# KiCad board AICORS_PCB.kicad_pcb (continued)
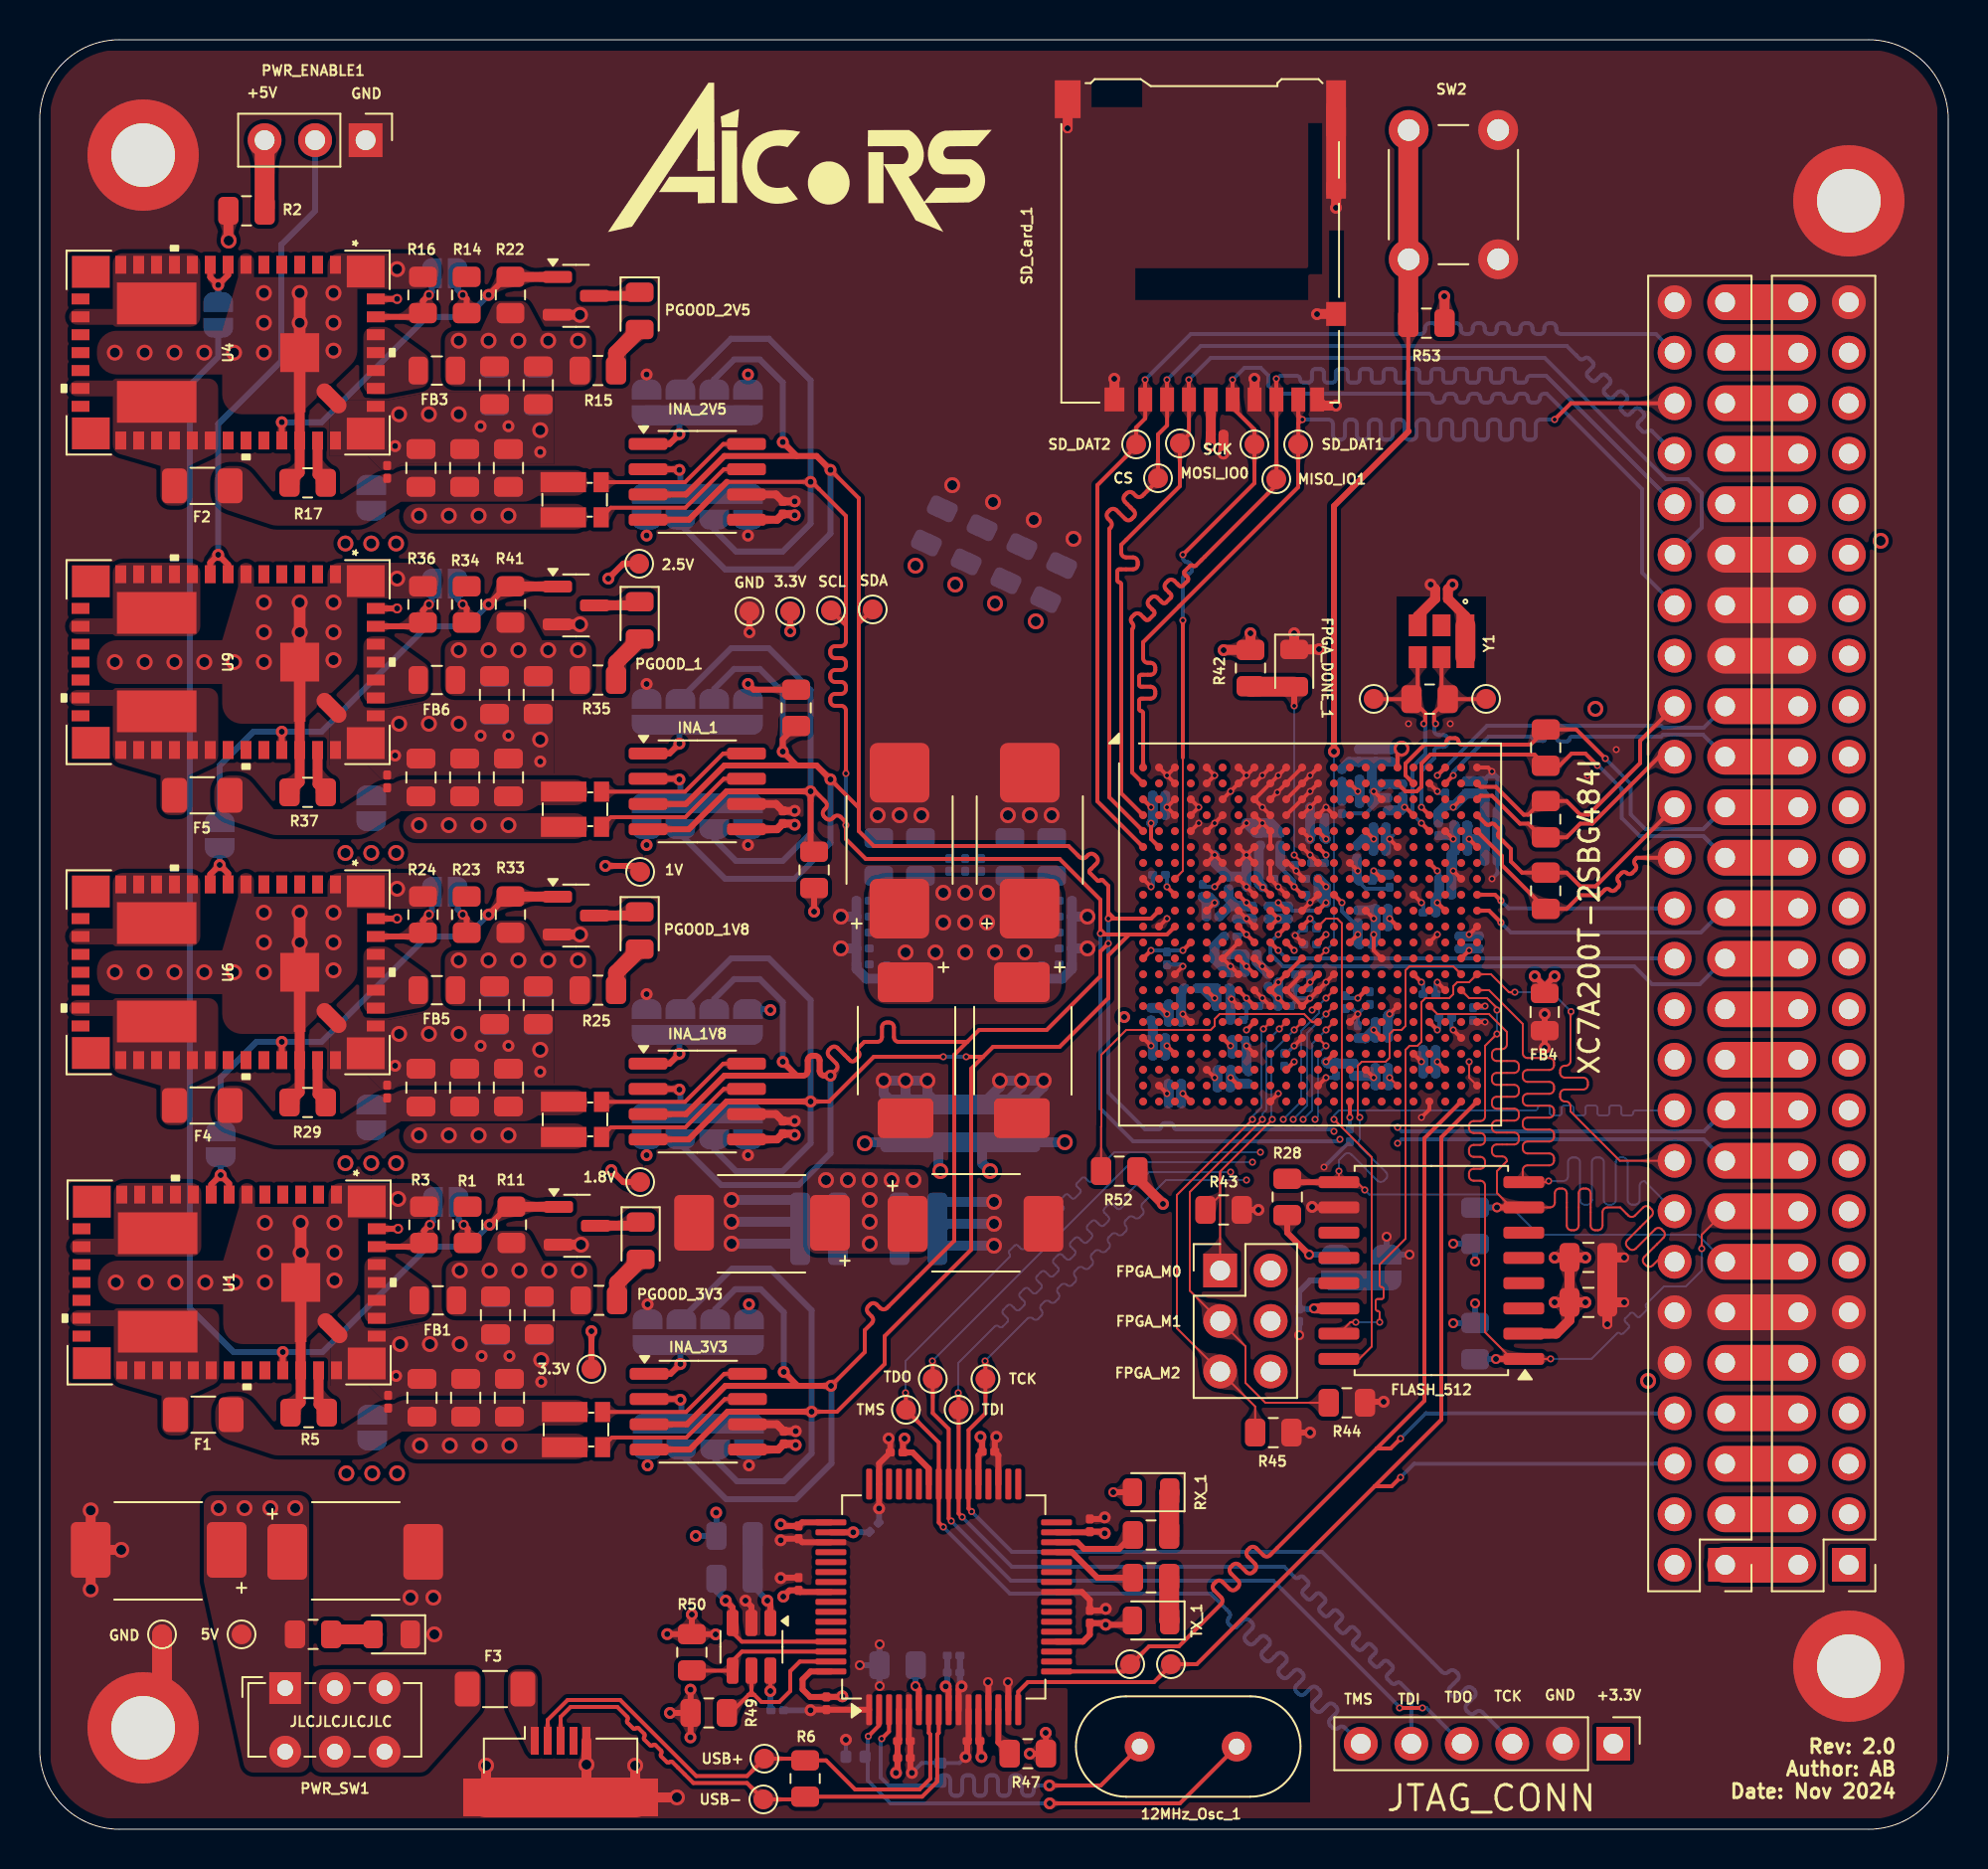
[diagram p0: board, top side]
## Routing (per net, layer and track width the routed paths; a pad name or vN(x,y) marks a point on that pad's centre or on a via; arc(x,y) is an arc through that point) (continued)
  Top w0.3: INA_1.3 32.5,51.57 34.44,53.5 39.08,53.5 v2(39.78,52.8) ; v2(37.38,38.6) 38.08,37.9 ; v2(39.78,37.9) 39.47,37.9 arc(39.3,37.97) 39.23,38.14 39.23,38.66 arc(39.16,38.83) 38.99,38.9 38.87,38.9 arc(38.7,38.83) 38.63,38.66 38.63,38.14 arc(38.56,37.97) 38.39,37.9 34.44,37.9 32.5,35.97 INA_1V8.3 ; v2(39.8,22.3) 34.49,22.3 32.55,20.37 INA_3V3.3 ; INA_2V5.3 32.5,67.13 34.44,69.07 39.08,69.07 v2(39.78,68.37) ; 38.08,53.5 v2(37.38,54.2) 37.38,54.81 SDA_UP_1.1 ; v2(37.38,69.77) 38.08,69.07 ; v2(37.43,23) 38.13,22.3
  Top w1.8: J10.20 J14.19
  In4.Cu w0.2: v1(68.3,35.3) 68.1,35.1 v1(65.1,35.1)
  Bottom w0.2: v1(68.3,35.3) 68.5,35.1 83.72,35.1 J14.19 ; v1(65.1,35.1) 65,35.2 57.18,35.2 arc(57.07,35.25) 57.03,35.36 arc(56.98,35.47) 56.87,35.51 56.58,35.51 arc(56.47,35.47) 56.43,35.36 arc(56.38,35.25) 56.27,35.2 55.6,35.2 53.75,37.05 v1(53.75,45.8)
  Bottom w0.3: A1_3.2 33.93,72.92 34.93,73.92 36.22,73.92 37.38,72.77 v2(37.38,69.77) ; v2(39.78,52.8) 39.78,49.6 37.98,47.8 34.48,47.8 32.23,50.05 A0_1.2 ; A0_2.2 32.23,34.45 34.28,32.4 38.18,32.4 39.78,34 v2(39.78,37.9) ; v2(39.78,68.37) 39.78,65.17 37.98,63.37 34.48,63.37 32.23,65.62 A0_3.2 ; v2(37.38,38.6) 37.38,41.6 36.22,42.76 34.93,42.76 33.93,41.76 A1_2.2 ; v2(37.38,54.2) 37.38,57.2 36.22,58.36 34.93,58.36 33.93,57.36 A1_1.2 ; v2(39.8,22.3) 39.83,22.27 39.83,18.4 38.03,16.6 34.53,16.6 32.28,18.85 A0_4.2 ; v2(37.43,23) 37.43,26 36.27,27.16 34.98,27.16 33.98,26.16 A1_4.2
JTAG_TCK: length 108.9
  Top w0.1: U3.V12 v1(64.7,39.4)
  Top w0.2: v1(46.88,15.97) 46.72,16.13 U12.38 46.72,20.07 47.57,20.92 TP46.1 47.57,23.53 v1(47.55,23.55)
  In2.Cu w0.1: v1(64.7,39.4) 67.2,36.9 73.26,36.9 arc(73.43,36.83) 73.5,36.66 73.5,36.31 arc(73.57,36.14) 73.74,36.07 73.86,36.07 arc(74.03,36.14) 74.1,36.31 74.1,36.66 arc(74.17,36.83) 74.34,36.9 74.46,36.9 arc(74.63,36.83) 74.7,36.66 74.7,36.31 arc(74.77,36.14) 74.94,36.07 75.06,36.07 arc(75.23,36.14) 75.3,36.31 75.3,36.66 arc(75.37,36.83) 75.54,36.9 75.66,36.9 arc(75.83,36.83) 75.9,36.66 75.9,36.31 arc(75.97,36.14) 76.14,36.07 76.26,36.07 arc(76.43,36.14) 76.5,36.31 76.5,36.66 arc(76.57,36.83) 76.74,36.9 76.86,36.9 arc(77.03,36.83) 77.1,36.66 77.1,36.31 arc(77.17,36.14) 77.34,36.07 77.46,36.07 arc(77.63,36.14) 77.7,36.31 77.7,36.66 arc(77.77,36.83) 77.94,36.9 78.06,36.9 arc(78.23,36.83) 78.3,36.66 78.3,36.31 arc(78.37,36.14) 78.54,36.07 78.66,36.07 arc(78.83,36.14) 78.9,36.31 78.9,36.66 arc(78.97,36.83) 79.14,36.9 79.26,36.9 arc(79.43,36.83) 79.5,36.66 79.5,36.31 arc(79.57,36.14) 79.74,36.07 79.86,36.07 arc(80.03,36.14) 80.1,36.31 80.1,36.66 arc(80.17,36.83) 80.34,36.9 80.44,36.9 J14.22
  In3.Cu w0.5: 82.22,38.68 83.49,39.95 89.71,39.95 90.98,38.68
  In4.Cu w0.1: v1(64.15,35.7) 61.1,32.65 v1(60.7,32.65)
  Bottom w0.1: v1(64.7,39.4) 64.3,39 64.3,35.85 v1(64.15,35.7) ; v1(60.7,32.65) 56.65,32.65 55.47,31.47 arc(55.42,31.34) 55.47,31.2 arc(55.53,31.06) 55.47,30.92 55.33,30.77 arc(55.19,30.71) 55.05,30.77 arc(54.91,30.83) 54.77,30.77 54.63,30.63 arc(54.57,30.49) 54.63,30.35 arc(54.68,30.21) 54.63,30.07 54.48,29.92 arc(54.34,29.87) 54.2,29.92 arc(54.06,29.98) 53.92,29.92 53.78,29.78 arc(53.72,29.64) 53.78,29.5 arc(53.83,29.36) 53.78,29.22 53.63,29.07 arc(53.49,29.02) 53.35,29.07 arc(53.21,29.13) 53.08,29.07 52.93,28.93 arc(52.87,28.79) 52.93,28.65 arc(52.99,28.51) 52.93,28.37 52.78,28.23 arc(52.64,28.17) 52.5,28.23 arc(52.37,28.28) 52.23,28.23 52.08,28.08 arc(52.02,27.94) 52.08,27.8 arc(52.14,27.66) 52.08,27.52 51.93,27.38 arc(51.8,27.32) 51.66,27.38 arc(51.52,27.44) 51.38,27.38 51.23,27.23 arc(51.17,27.09) 51.23,26.95 arc(51.29,26.81) 51.23,26.68 51.09,26.53 arc(50.95,26.47) 50.81,26.53 arc(50.67,26.59) 50.53,26.53 50.38,26.38 arc(50.33,26.24) 50.38,26.1 arc(50.44,25.97) 50.38,25.83 50.24,25.68 arc(50.1,25.62) 49.96,25.68 arc(49.82,25.74) 49.68,25.68 v1(47.55,23.55)
  Bottom w0.2: J13.3 74.07,4.38 72.57,5.88 arc(72.4,5.95) 72.23,5.88 72.21,5.87 arc(72.04,5.8) 71.87,5.87 71.79,5.95 arc(71.72,6.12) 71.79,6.29 72.16,6.66 arc(72.23,6.83) 72.16,7 72.07,7.09 arc(71.9,7.16) 71.74,7.09 71.36,6.72 arc(71.19,6.64) 71.02,6.72 70.94,6.8 arc(70.87,6.97) 70.94,7.14 71.31,7.51 arc(71.38,7.68) 71.31,7.85 71.23,7.93 arc(71.06,8) 70.89,7.93 70.87,7.92 arc(70.7,7.85) 70.53,7.92 64.5,13.95 48.9,13.95 v1(46.88,15.97)
JTAG_TDI: length 114.9
  Top w0.1: U3.R13 v1(64.7,41.8)
  Top w0.2: v1(46.2,21.95) 46.22,21.93 TP44.1 U12.39 46.22,15.88 v1(46.4,15.7)
  In2.Cu w0.1: v1(64.7,41.8) 64.9,41.8 68.9,37.8 73.22,37.8 arc(73.39,37.87) 73.46,38.04 73.46,38.1 arc(73.53,38.27) 73.7,38.34 73.82,38.34 arc(73.99,38.27) 74.06,38.1 74.06,38.04 arc(74.13,37.87) 74.3,37.8 74.42,37.8 arc(74.59,37.87) 74.66,38.04 74.66,38.1 arc(74.73,38.27) 74.9,38.34 75.02,38.34 arc(75.19,38.27) 75.26,38.1 75.26,38.04 arc(75.33,37.87) 75.5,37.8 75.62,37.8 arc(75.79,37.87) 75.86,38.04 75.86,38.1 arc(75.93,38.27) 76.1,38.34 76.22,38.34 arc(76.39,38.27) 76.46,38.1 76.46,38.04 arc(76.53,37.87) 76.7,37.8 77.35,38.45 arc(77.42,38.62) 77.35,38.79 77.31,38.83 arc(77.24,39) 77.31,39.17 77.39,39.25 arc(77.56,39.33) 77.73,39.25 78.16,38.83 arc(78.32,38.76) 78.49,38.83 78.58,38.92 arc(78.65,39.09) 78.58,39.26 78.16,39.68 arc(78.09,39.85) 78.16,40.02 78.24,40.1 arc(78.41,40.17) 78.58,40.1 79,39.68 arc(79.17,39.61) 79.34,39.68 79.43,39.77 arc(79.5,39.94) 79.43,40.11 79.01,40.53 arc(78.94,40.7) 79.01,40.87 79.09,40.95 arc(79.26,41.02) 79.43,40.95 79.47,40.91 arc(79.64,40.84) 79.81,40.91 80.14,41.24 J14.24
  In3.Cu w0.5: 91.02,41.23 89.75,42.5 83.52,42.5 82.25,41.23
  In4.Cu w0.1: v1(59.9,33.05) v1(62.55,35.7)
  Bottom w0.1: v1(59.9,33.05) 55.8,33.05 54.61,31.86 arc(54.57,31.76) 54.61,31.66 arc(54.65,31.55) 54.61,31.45 54.39,31.23 arc(54.28,31.18) 54.18,31.23 53.98,31.43 arc(53.87,31.47) 53.77,31.43 53.55,31.21 arc(53.51,31.11) 53.55,31.01 53.76,30.8 arc(53.8,30.7) 53.76,30.6 53.54,30.38 arc(53.44,30.34) 53.33,30.38 53.13,30.58 arc(53.03,30.63) 52.92,30.58 52.7,30.36 arc(52.66,30.26) 52.7,30.16 52.91,29.95 arc(52.95,29.85) 52.91,29.75 52.69,29.53 arc(52.59,29.49) 52.49,29.53 52.28,29.73 arc(52.18,29.78) 52.07,29.73 51.86,29.52 arc(51.81,29.41) 51.86,29.31 52.06,29.11 arc(52.1,29) 52.06,28.9 51.84,28.68 arc(51.74,28.64) 51.64,28.68 51.43,28.89 arc(51.33,28.93) 51.23,28.89 51.01,28.67 arc(50.96,28.56) 51.01,28.46 51.21,28.26 arc(51.25,28.15) 51.21,28.05 50.99,27.83 arc(50.89,27.79) 50.79,27.83 50.58,28.04 arc(50.48,28.08) 50.38,28.04 50.16,27.82 arc(50.12,27.72) 50.16,27.61 50.36,27.41 arc(50.41,27.31) 50.36,27.2 50.14,26.98 arc(50.04,26.94) 49.94,26.98 49.73,27.19 arc(49.63,27.23) 49.53,27.19 49.31,26.97 arc(49.27,26.87) 49.31,26.76 49.52,26.56 arc(49.56,26.46) 49.52,26.35 49.3,26.14 arc(49.19,26.09) 49.09,26.14 48.89,26.34 arc(48.78,26.38) 48.68,26.34 48.46,26.12 arc(48.42,26.02) 48.46,25.92 48.67,25.71 arc(48.71,25.61) 48.67,25.51 48.45,25.29 arc(48.34,25.25) 48.24,25.29 arc(48.14,25.33) 48.04,25.29 46.2,23.45 v1(46.2,21.95) ; v1(64.7,41.8) 64.35,41.45 64.35,41.06 63.45,40.16 63.45,36.6 v1(62.55,35.7)
  Bottom w0.2: J13.5 68.99,6.81 68.45,7.35 arc(68.34,7.39) 68.23,7.35 arc(68.11,7.3) 68,7.35 67.79,7.55 arc(67.75,7.67) 67.79,7.78 68.02,8.01 arc(68.07,8.12) 68.02,8.24 67.83,8.43 arc(67.71,8.48) 67.6,8.43 67.37,8.2 arc(67.25,8.16) 67.14,8.2 66.94,8.4 arc(66.9,8.51) 66.94,8.63 67.17,8.86 arc(67.22,8.97) 67.17,9.09 66.98,9.28 arc(66.86,9.33) 66.75,9.28 66.52,9.05 arc(66.4,9) 66.29,9.05 66.09,9.25 arc(66.05,9.36) 66.09,9.48 66.32,9.71 arc(66.37,9.82) 66.32,9.94 66.13,10.13 arc(66.02,10.18) 65.9,10.13 65.67,9.9 arc(65.56,9.85) 65.44,9.9 65.25,10.09 arc(65.2,10.21) 65.25,10.32 65.48,10.55 arc(65.52,10.67) 65.48,10.78 65.28,10.98 arc(65.17,11.03) 65.05,10.98 64.82,10.75 arc(64.71,10.7) 64.59,10.75 64.4,10.94 arc(64.35,11.06) 64.4,11.17 64.63,11.4 arc(64.67,11.52) 64.63,11.63 64.43,11.83 arc(64.32,11.87) 64.2,11.83 63.97,11.6 arc(63.86,11.55) 63.74,11.6 63.55,11.79 arc(63.5,11.91) 63.55,12.02 63.78,12.25 arc(63.82,12.36) 63.78,12.48 63.58,12.67 arc(63.47,12.72) 63.35,12.67 arc(63.24,12.63) 63.13,12.67 62.6,13.2 48.9,13.2 v1(46.4,15.7)
JTAG_TDO: length 94.7
  Top w0.1: U3.U13 v1(64.7,40.2)
  Top w0.2: v1(45.85,15.5) 45.72,15.63 U12.40 45.72,20.13 44.92,20.93 TP45.1 44.92,23.53 v1(44.9,23.55) ; v1(68.4,6.1) v1(69.55,6.1)
  Top w1.8: J14.21 J10.22
  In2.Cu w0.1: J14.21 83.68,39.8 81.3,39.8 78.7,37.2 67.9,37.2 67.5,37.6 67.5,37.9 67.5,37.9 65.2,40.2 v1(64.7,40.2)
  In4.Cu w0.1: v1(63.55,35.7) 61.4,33.55 v1(61,33.55)
  Bottom w0.1: v1(63.55,35.7) 64,36.15 64,39.5 v1(64.7,40.2) ; v1(44.9,23.55) 54.9,33.55 v1(61,33.55)
  Bottom w0.2: v1(45.85,15.5) 48.85,12.5 62.05,12.5 68.4,6.15 v1(68.4,6.1) ; J13.4 71.53,4.32 69.75,6.1 v1(69.55,6.1)
JTAG_TMS: length 104.7
  Top w0.1: U3.T13 v1(64.7,41)
  Top w0.2: v1(43.55,21.95) 43.57,21.93 TP43.1 45.22,19.45 U12.41 45.22,15.43 v1(45.45,15.2)
  Top w1.8: J14.23 J10.24
  In2.Cu w0.1: J14.23 83.64,40.1 80.3,40.1 77.7,37.5 68.72,37.5 65.22,41 v1(64.7,41)
  In4.Cu w0.1: v1(61.4,34.05) v1(63.05,35.7)
  Bottom w0.1: v1(63.05,35.7) 63.75,36.4 63.75,40.05 v1(64.7,41) ; v1(43.55,21.95) 43.55,23.55 48.78,28.78 arc(48.81,28.86) 48.78,28.94 arc(48.74,29.02) 48.78,29.1 49.04,29.36 arc(49.12,29.39) 49.2,29.36 49.36,29.2 arc(49.44,29.16) 49.52,29.2 49.79,29.46 arc(49.82,29.54) 49.79,29.62 49.62,29.79 arc(49.59,29.87) 49.62,29.95 49.88,30.21 arc(49.97,30.24) 50.05,30.21 50.21,30.05 arc(50.29,30.01) 50.37,30.05 50.63,30.31 arc(50.67,30.39) 50.63,30.47 50.47,30.63 arc(50.44,30.72) 50.47,30.8 50.73,31.06 arc(50.81,31.09) 50.9,31.06 51.06,30.9 arc(51.14,30.86) 51.22,30.9 51.48,31.16 arc(51.52,31.24) 51.48,31.32 51.32,31.48 arc(51.29,31.56) 51.32,31.65 51.58,31.91 arc(51.66,31.94) 51.74,31.91 51.91,31.74 arc(51.99,31.71) 52.07,31.74 52.33,32.01 arc(52.36,32.09) 52.33,32.17 52.17,32.33 arc(52.13,32.41) 52.17,32.49 52.43,32.76 arc(52.51,32.79) 52.59,32.76 52.75,32.59 arc(52.83,32.56) 52.91,32.59 53.19,32.87 arc(53.22,32.95) 53.19,33.03 arc(53.15,33.11) 53.19,33.19 54.05,34.05 v1(61.4,34.05)
  Bottom w0.2: v1(45.45,15.2) 48.8,11.85 58.9,11.85 59.82,10.93 arc(59.88,10.78) 59.82,10.63 arc(59.75,10.47) 59.82,10.32 59.93,10.2 arc(60.09,10.14) 60.24,10.2 60.55,10.51 arc(60.7,10.57) 60.86,10.51 60.97,10.39 arc(61.04,10.24) 60.97,10.08 60.67,9.78 arc(60.6,9.62) 60.67,9.47 60.78,9.35 arc(60.94,9.29) 61.09,9.35 61.4,9.66 arc(61.55,9.72) 61.71,9.66 61.82,9.55 arc(61.89,9.39) 61.82,9.24 61.51,8.93 arc(61.45,8.77) 61.51,8.62 61.63,8.5 arc(61.78,8.44) 61.94,8.5 62.25,8.81 arc(62.4,8.88) 62.56,8.81 62.67,8.7 arc(62.74,8.54) 62.67,8.39 62.36,8.08 arc(62.3,7.92) 62.36,7.77 62.48,7.65 arc(62.63,7.59) 62.79,7.65 63.1,7.96 arc(63.25,8.03) 63.4,7.96 63.52,7.85 arc(63.58,7.69) 63.52,7.54 63.21,7.23 arc(63.15,7.08) 63.21,6.92 63.33,6.81 arc(63.48,6.74) 63.64,6.81 63.94,7.11 arc(64.1,7.18) 64.25,7.11 64.37,7 arc(64.43,6.85) 64.37,6.69 64.06,6.38 arc(64,6.23) 64.06,6.07 64.17,5.96 arc(64.33,5.89) 64.48,5.96 64.79,6.27 arc(64.95,6.33) 65.1,6.27 65.22,6.15 arc(65.28,6) 65.22,5.84 64.91,5.53 arc(64.85,5.38) 64.91,5.23 65.03,5.1 arc(65.18,5.04) 65.34,5.1 arc(65.49,5.17) 65.65,5.1 J13.6
PWR_GOOD_1V: length 24.5
  Top w0.3: v2(12.18,55.2) U9.33 ; R41.1 23.49,62.51 v2(22.58,61.6)
  Top w0.5: R41.1 23.68,62.51 26.04,62.51
  Bottom w0.3: v2(22.58,61.6) 21.48,60.5 19.48,60.5 14.18,55.2 v2(12.18,55.2) 10.75,55.2 9.05,53.5 JP6.2
PWR_GOOD_1V8: length 24.3
  Top w0.3: R33.1 23.49,46.91 v2(22.58,46) ; v2(12.18,39.6) U6.33
  Top w0.5: R33.1 23.68,46.91 26.04,46.91
  Bottom w0.3: v2(22.58,46) 21.48,44.9 19.48,44.9 14.18,39.6 v2(12.18,39.6) 10.9,39.6 9.1,37.8 JP12.2
PWR_GOOD_2V5: length 17.8
  Top w0.3: v2(22.58,77.17) 23.49,78.08 R22.1 ; v2(12.18,70.77) 12.18,70.77 U4.33
  Top w0.5: Q2.1 23.68,78.07 R22.1
  Bottom w0.3: v2(22.58,77.17) 21.48,76.07 19.48,76.07 14.18,70.77 v2(12.18,70.77)
PWR_GOOD_3V3: length 73.3
  Top w0.3: R11.1 23.54,31.31 v2(22.63,30.4) ; v2(12.23,24) U1.33
  Top w0.5: 26.09,31.31 23.73,31.31 R11.1
  Bottom w0.3: v2(22.63,30.4) 21.53,29.3 19.53,29.3 14.23,24 v2(12.23,24) 10.3,24 10.3,24 9.75,24 7.55,26.2 7.55,72.62 8.98,74.05 JP3.2
SD_CLK_SPI_3_SCK: length 70.3
  Top w0.1: U3.H3 57.5,48.2 57.5,53.9
  Top w0.2: v1(60,72.9) 60,71.92 SD_Card_1.5 60.01,71.5 61.1,70.4 TP21.1 61.1,67.7 v1(57.5,64.1) ; v1(57.5,60.8) 57.5,53.9
  In3.Cu w0.5: 82.22,61.6 83.47,62.85 89.73,62.85 90.98,61.6
  Bottom w0.2: v1(57.5,60.8) 57.5,62.9 arc(57.57,63.06) 57.73,63.13 arc(57.89,63.19) 57.96,63.36 57.96,63.5 arc(57.89,63.66) 57.73,63.73 arc(57.57,63.79) 57.5,63.96 v1(57.5,64.1) ; v1(60,72.9) 60.6,73.5 61.41,73.5 61.8,73.11 61.8,72.6 62.2,72.2 69.83,72.2 arc(69.99,72.13) 70.06,71.98 arc(70.12,71.82) 70.28,71.76 70.43,71.76 arc(70.59,71.82) 70.66,71.98 arc(70.72,72.13) 70.88,72.2 71.03,72.2 arc(71.19,72.13) 71.26,71.98 arc(71.32,71.82) 71.48,71.76 71.63,71.76 arc(71.79,71.82) 71.86,71.98 arc(71.92,72.13) 72.08,72.2 72.23,72.2 arc(72.39,72.13) 72.46,71.98 arc(72.52,71.82) 72.68,71.76 72.83,71.76 arc(72.99,71.82) 73.06,71.98 arc(73.12,72.13) 73.28,72.2 73.43,72.2 arc(73.59,72.13) 73.66,71.98 arc(73.72,71.82) 73.88,71.76 74.03,71.76 arc(74.19,71.82) 74.26,71.98 arc(74.32,72.13) 74.48,72.2 74.63,72.2 arc(74.79,72.13) 74.86,71.98 arc(74.92,71.82) 75.08,71.76 75.23,71.76 arc(75.39,71.82) 75.46,71.98 arc(75.52,72.13) 75.68,72.2 75.8,72.2 80.6,67.4 80.6,63.2 J14.40
SD_CMD_SPI_3_MOSI: length 67.9
  Top w0.2: U3.D1 54.4,52.1 54.4,62.62 arc(54.37,62.69) 54.3,62.72 arc(54.23,62.75) 54.2,62.82 54.2,63.27 arc(54.23,63.34) 54.3,63.37 54.99,63.37 arc(55.16,63.44) 55.23,63.61 55.23,63.73 arc(55.16,63.9) 54.99,63.97 54.64,63.97 arc(54.47,64.04) 54.4,64.21 54.4,64.6 57.35,67.55 TP24.1 57.81,70.16 SD_Card_1.3 57.8,71.92 v1(57.8,72.9)
  In3.Cu w0.5: 91.02,64.15 89.82,65.35 83.45,65.35 82.25,64.15
  Bottom w0.2: v1(57.8,72.9) 58.9,74 75.7,74 81.8,67.9 82.9,67.9 83.6,67.2 83.6,65.47 J14.42
SD_DAT0_SPI_3_MISO: length 69.6
  Top w0.2: v1(62.2,72.95) 62.2,71.92 SD_Card_1.7 62.21,67.91 TP27.1 62.2,67.6 58.15,63.55 arc(58.08,63.52) 58.01,63.55 arc(57.94,63.58) 57.86,63.55 57.58,63.26 arc(57.55,63.19) 57.58,63.12 57.74,62.96 arc(57.78,62.88) 57.74,62.79 57.49,62.54 arc(57.41,62.5) 57.32,62.54 57.07,62.79 arc(56.91,62.85) 56.75,62.79 56.65,62.68 arc(56.58,62.52) 56.65,62.36 56.89,62.12 arc(56.93,62.03) 56.89,61.94 56.65,61.69 arc(56.56,61.65) 56.47,61.69 56.22,61.94 arc(56.06,62) 55.9,61.94 55.8,61.83 arc(55.73,61.67) 55.8,61.51 56.04,61.27 arc(56.08,61.18) 56.04,61.09 55.8,60.84 arc(55.71,60.81) 55.62,60.84 55.37,61.09 arc(55.21,61.16) 55.05,61.09 54.95,60.98 arc(54.88,60.83) 54.95,60.67 arc(55.01,60.51) 54.95,60.35 54.95,53.15 U3.B1
  In3.Cu w0.5: 90.98,66.67 89.73,67.92 83.47,67.92 82.22,66.67
  Bottom w0.2: v1(62.2,72.95) 62.25,72.95 62.4,73.1 63.23,73.1 arc(63.34,73.05) 63.39,72.93 arc(63.44,72.81) 63.56,72.76 63.83,72.76 arc(63.94,72.81) 63.99,72.93 63.99,73.27 arc(64.04,73.39) 64.16,73.44 64.43,73.44 arc(64.54,73.39) 64.59,73.27 64.59,72.93 arc(64.64,72.81) 64.76,72.76 65.03,72.76 arc(65.14,72.81) 65.19,72.93 65.19,73.27 arc(65.24,73.39) 65.36,73.44 65.63,73.44 arc(65.74,73.39) 65.79,73.27 65.79,72.93 arc(65.84,72.81) 65.96,72.76 66.23,72.76 arc(66.34,72.81) 66.39,72.93 66.39,73.27 arc(66.44,73.39) 66.56,73.44 66.83,73.44 arc(66.94,73.39) 66.99,73.27 66.99,72.93 arc(67.04,72.81) 67.16,72.76 67.43,72.76 arc(67.54,72.81) 67.59,72.93 67.59,73.27 arc(67.64,73.39) 67.76,73.44 68.03,73.44 arc(68.14,73.39) 68.19,73.27 68.19,72.93 arc(68.24,72.81) 68.36,72.76 68.63,72.76 arc(68.74,72.81) 68.79,72.93 68.79,73.27 arc(68.84,73.39) 68.96,73.44 69.23,73.44 arc(69.34,73.39) 69.39,73.27 69.39,72.93 arc(69.44,72.81) 69.56,72.76 69.83,72.76 arc(69.94,72.81) 69.99,72.93 69.99,73.27 arc(70.04,73.39) 70.16,73.44 70.43,73.44 arc(70.54,73.39) 70.59,73.27 70.59,72.93 arc(70.64,72.81) 70.76,72.76 71.03,72.76 arc(71.14,72.81) 71.19,72.93 71.19,73.27 arc(71.24,73.39) 71.36,73.44 71.63,73.44 arc(71.74,73.39) 71.79,73.27 71.79,72.93 arc(71.84,72.81) 71.96,72.76 72.23,72.76 arc(72.34,72.81) 72.39,72.93 72.39,73.27 arc(72.44,73.39) 72.56,73.44 72.83,73.44 arc(72.94,73.39) 72.99,73.27 72.99,72.93 arc(73.04,72.81) 73.16,72.76 73.43,72.76 arc(73.54,72.81) 73.59,72.93 73.59,73.27 arc(73.64,73.39) 73.76,73.44 74.03,73.44 arc(74.14,73.39) 74.19,73.27 74.19,72.93 arc(74.24,72.81) 74.36,72.76 74.63,72.76 arc(74.75,72.81) 74.8,72.93 arc(74.85,73.05) 74.97,73.1 75.78,73.1 J14.44
SD_DAT1: length 69.2
  Top w0.2: U3.A1 55.5,56.14 arc(55.47,56.21) 55.4,56.24 arc(55.33,56.27) 55.3,56.34 55.3,56.76 arc(55.33,56.83) 55.4,56.86 55.87,56.86 arc(56.04,56.93) 56.11,57.1 56.11,57.22 arc(56.04,57.39) 55.87,57.46 55.4,57.46 arc(55.33,57.49) 55.3,57.56 55.3,57.96 arc(55.33,58.03) 55.4,58.06 55.87,58.06 arc(56.04,58.13) 56.11,58.3 56.11,58.42 arc(56.04,58.59) 55.87,58.66 55.74,58.66 arc(55.57,58.73) 55.5,58.9 55.5,59.7 63.3,67.5 TP18.1 63.31,69.66 63.31,70.7 ; J14.48 77.02,71.72 v1(76.2,70.9) ; 63.31,70.7 63.51,70.9 v1(63.52,70.9) 63.31,71.11 SD_Card_1.8 63.31,70.7
  In3.Cu w0.5: 90.98,71.75 89.73,73 83.47,73 82.22,71.75
  Bottom w0.2: v1(76.2,70.9) 75.5,70.9 arc(75.33,70.83) 75.26,70.66 75.26,70.12 arc(75.19,69.95) 75.02,69.88 74.9,69.88 arc(74.73,69.95) 74.66,70.12 74.66,70.66 arc(74.59,70.83) 74.42,70.9 74.3,70.9 arc(74.13,70.83) 74.06,70.66 74.06,70.12 arc(73.99,69.95) 73.82,69.88 73.7,69.88 arc(73.53,69.95) 73.46,70.12 73.46,70.66 arc(73.39,70.83) 73.22,70.9 73.1,70.9 arc(72.93,70.83) 72.86,70.66 72.86,70.12 arc(72.79,69.95) 72.62,69.88 72.5,69.88 arc(72.33,69.95) 72.26,70.12 72.26,70.66 arc(72.19,70.83) 72.02,70.9 71.9,70.9 arc(71.73,70.83) 71.66,70.66 71.66,70.12 arc(71.59,69.95) 71.42,69.88 71.3,69.88 arc(71.13,69.95) 71.06,70.12 71.06,70.66 arc(70.99,70.83) 70.82,70.9 70.7,70.9 arc(70.53,70.83) 70.46,70.66 70.46,70.12 arc(70.39,69.95) 70.22,69.88 70.1,69.88 arc(69.93,69.95) 69.86,70.12 69.86,70.66 arc(69.79,70.83) 69.62,70.9 69.5,70.9 arc(69.33,70.83) 69.26,70.66 69.26,70.12 arc(69.19,69.95) 69.02,69.88 68.9,69.88 arc(68.73,69.95) 68.66,70.12 68.66,70.66 arc(68.59,70.83) 68.42,70.9 68.3,70.9 arc(68.13,70.83) 68.06,70.66 68.06,70.12 arc(67.99,69.95) 67.82,69.88 67.7,69.88 arc(67.53,69.95) 67.46,70.12 67.46,70.66 arc(67.39,70.83) 67.22,70.9 67.1,70.9 arc(66.93,70.83) 66.86,70.66 66.86,70.12 arc(66.79,69.95) 66.62,69.88 66.5,69.88 arc(66.33,69.95) 66.26,70.12 66.26,70.66 arc(66.19,70.83) 66.02,70.9 65.9,70.9 arc(65.73,70.83) 65.66,70.66 65.66,70.12 arc(65.59,69.95) 65.42,69.88 65.3,69.88 arc(65.13,69.95) 65.06,70.12 65.06,70.66 arc(64.99,70.83) 64.82,70.9 v1(63.52,70.9)
SD_DAT2: length 68
  Top w0.2: v1(55.6,72.9) 55.6,71.92 SD_Card_1.1 55.61,70.96 55.15,70.5 TP20.1 55.15,69.55 53.2,67.6 53.2,51.7 U3.F1
  In3.Cu w0.5: 82.25,74.3 83.5,75.55 89.77,75.55 91.02,74.3
  Bottom w0.2: J14.50 81.3,75.2 76.52,75.2 arc(76.35,75.27) 76.28,75.44 76.28,75.51 arc(76.21,75.68) 76.04,75.75 75.92,75.75 arc(75.75,75.68) 75.68,75.51 75.68,75.44 arc(75.61,75.27) 75.44,75.2 75.32,75.2 arc(75.15,75.27) 75.08,75.44 75.08,75.51 arc(75.01,75.68) 74.84,75.75 74.72,75.75 arc(74.55,75.68) 74.48,75.51 74.48,75.44 arc(74.41,75.27) 74.24,75.2 74.12,75.2 arc(73.95,75.27) 73.88,75.44 73.88,75.51 arc(73.81,75.68) 73.64,75.75 73.52,75.75 arc(73.35,75.68) 73.28,75.51 73.28,75.44 arc(73.21,75.27) 73.04,75.2 72.92,75.2 arc(72.75,75.27) 72.68,75.44 72.68,75.51 arc(72.61,75.68) 72.44,75.75 72.32,75.75 arc(72.15,75.68) 72.08,75.51 72.08,75.44 arc(72.01,75.27) 71.84,75.2 71.72,75.2 arc(71.55,75.27) 71.48,75.44 71.48,75.51 arc(71.41,75.68) 71.24,75.75 71.12,75.75 arc(70.95,75.68) 70.88,75.51 70.88,75.44 arc(70.81,75.27) 70.64,75.2 70.52,75.2 arc(70.35,75.27) 70.28,75.44 70.28,75.51 arc(70.21,75.68) 70.04,75.75 69.92,75.75 arc(69.75,75.68) 69.68,75.51 69.68,75.44 arc(69.61,75.27) 69.44,75.2 69.32,75.2 arc(69.15,75.27) 69.08,75.44 69.08,75.51 arc(69.01,75.68) 68.84,75.75 68.72,75.75 arc(68.55,75.68) 68.48,75.51 68.48,75.44 arc(68.41,75.27) 68.24,75.2 57.9,75.2 v1(55.6,72.9)
SD_DAT3_SPI_3_CS: length 69.8
  Top w0.1: TP30.1 56.15,67.85
  Top w0.2: v1(56.7,72.9) 56.7,71.92 SD_Card_1.2 56.71,70.61 56.25,70.15 TP30.1 ; U3.E1 53.8,51.9 53.8,65.4 53.86,65.46 arc(53.93,65.63) 53.86,65.8 53.74,65.92 arc(53.67,66.08) 53.74,66.25 53.82,66.34 arc(53.99,66.41) 54.16,66.34 54.61,65.89 arc(54.76,65.83) 54.92,65.89 55.03,66.01 arc(55.1,66.16) 55.03,66.32 54.59,66.76 arc(54.51,66.93) 54.59,67.1 54.67,67.19 arc(54.84,67.26) 55.01,67.19 55.13,67.07 arc(55.3,67) 55.47,67.07 56.15,67.75 56.15,67.85
  In2.Cu w0.5: 82.25,69.25 83.45,70.45 89.82,70.45 91.02,69.25
  Bottom w0.2: v1(56.7,72.9) 58.4,74.6 76.82,74.6 77.45,73.97 arc(77.57,73.92) 77.69,73.97 arc(77.81,74.02) 77.93,73.97 78.11,73.79 arc(78.16,73.67) 78.11,73.55 77.87,73.3 arc(77.82,73.18) 77.87,73.05 78.04,72.88 arc(78.17,72.82) 78.29,72.88 78.54,73.12 arc(78.66,73.18) 78.79,73.12 78.96,72.95 arc(79.02,72.82) 78.96,72.7 78.72,72.45 arc(78.66,72.33) 78.72,72.2 78.89,72.03 arc(79.02,71.98) 79.14,72.03 79.39,72.28 arc(79.51,72.33) 79.64,72.28 79.81,72.1 arc(79.86,71.98) 79.81,71.85 79.56,71.6 arc(79.51,71.48) 79.56,71.35 79.74,71.18 arc(79.86,71.13) 79.99,71.18 80.24,71.43 arc(80.36,71.48) 80.49,71.43 80.66,71.25 arc(80.71,71.13) 80.66,71 80.41,70.76 arc(80.36,70.64) 80.41,70.51 80.62,70.31 arc(80.74,70.26) 80.86,70.31 arc(80.98,70.36) 81.1,70.31 J14.46
SPI_1_CS_FLASH: length 60.1
  Top w0.1: J14.14 81.94,28.83 arc(81.77,28.9) 81.6,28.83 81.13,28.36 arc(80.96,28.29) 80.79,28.36 80.71,28.44 arc(80.64,28.61) 80.71,28.78 81.68,29.75 arc(81.75,29.92) 81.68,30.09 81.59,30.17 arc(81.42,30.24) 81.25,30.17 80.28,29.21 arc(80.11,29.14) 79.94,29.21 79.86,29.29 arc(79.79,29.46) 79.86,29.63 81.07,30.85 arc(81.14,31.02) 81.07,31.19 80.99,31.27 arc(80.82,31.34) 80.65,31.27 80.25,30.87 arc(80.08,30.8) 79.91,30.87 79.5,31.28 78.85,31.28 arc(78.68,31.2) 78.61,31.04 78.61,30.37 arc(78.54,30.2) 78.37,30.13 78.25,30.13 arc(78.08,30.2) 78.01,30.37 78.01,31.98 arc(77.94,32.15) 77.77,32.22 77.65,32.22 arc(77.48,32.15) 77.41,31.98 77.41,30.37 arc(77.34,30.2) 77.17,30.13 77.05,30.13 arc(76.88,30.2) 76.81,30.37 76.81,31.98 arc(76.74,32.15) 76.57,32.22 76.45,32.22 arc(76.28,32.15) 76.21,31.98 76.21,31.52 arc(76.14,31.35) 75.97,31.28 FLASH_512.7 74.03,31.28 73.3,32 73.3,33.1 73.8,33.6 arc(73.73,33.77) 73.56,33.84 73.29,33.84 arc(73.12,33.91) 73.05,34.08 73.05,34.2 arc(73.12,34.37) 73.29,34.44 74.16,34.44 arc(74.33,34.51) 74.4,34.68 74.4,34.8 arc(74.33,34.97) 74.16,35.04 73.29,35.04 arc(73.12,35.11) 73.05,35.28 73.05,35.4 arc(73.12,35.57) 73.29,35.64 74.16,35.64 arc(74.33,35.71) 74.4,35.88 74.4,36 arc(74.33,36.17) 74.16,36.24 73.29,36.24 arc(73.12,36.31) 73.05,36.48 73.05,36.6 arc(73.12,36.77) 73.29,36.84 74.16,36.84 arc(74.33,36.91) 74.4,37.08 74.4,37.2 arc(74.33,37.37) 74.16,37.44 73.29,37.44 arc(73.12,37.51) 73.05,37.68 73.05,37.8 arc(73.12,37.97) 73.29,38.04 74.16,38.04 arc(74.33,38.11) 74.4,38.28 74.4,38.4 arc(74.33,38.57) 74.16,38.64 73.29,38.64 arc(73.12,38.71) 73.05,38.88 73.05,39 arc(73.12,39.17) 73.29,39.24 73.56,39.24 arc(73.73,39.31) 73.8,39.48 73.8,40.1 72.9,41 70.3,41 U3.T19
  Top w0.3: v3(73.3,31.28) FLASH_512.7
  In3.Cu w0.5: 82.22,28.57 83.49,27.3 89.71,27.3 90.98,28.57
  Bottom w0.3: v3(73.3,31.28) 72.21,31.28 R26.2
SPI_1_IO2: length 48.3
  Top w0.1: U3.P21 71.1,43.4 68.9,43.4 68.7,43.2 68.7,40.4 68.5,40.2 68.1,40.2 67.9,40 67.9,38.8 67.7,38.6 66.5,38.6 66.3,38.4 66.3,35.9 v1(66.4,35.8) ; v1(65.35,33.1) 65.35,32.55 66.26,32.55 v1(66.65,32.15) ; 84.78,29.23 J14.13
  Top w0.3: 65.35,32.55 62.92,32.55
  Top w1.8: J14.13 J10.14
  Bottom w0.1: v1(66.4,35.8) 66.4,34.7 arc(66.33,34.53) 66.4,34.36 67.71,33.05 arc(67.78,32.88) 67.71,32.71 67.63,32.63 arc(67.46,32.56) 67.29,32.63 65.98,33.94 arc(65.81,34.01) 65.64,33.94 65.35,33.65 v1(65.35,33.1) ; v1(66.65,32.15) 66.88,31.93 73.38,31.93 75.4,29.9 83.42,29.9 J14.13
SPI_1_IO3: length 46.3
  Top w0.1: v1(76,23.66) 75.85,23.66 75.85,23.66 FLASH_512.1 74.05,23.66 72.7,25 72.7,32.38 arc(72.63,32.55) 72.46,32.62 72.13,32.62 arc(71.96,32.69) 71.89,32.86 71.89,32.98 arc(71.96,33.15) 72.13,33.22 72.46,33.22 arc(72.63,33.29) 72.7,33.46 72.7,33.58 arc(72.63,33.75) 72.46,33.82 72.13,33.82 arc(71.96,33.89) 71.89,34.06 71.89,34.18 arc(71.96,34.35) 72.13,34.42 72.46,34.42 arc(72.63,34.49) 72.7,34.66 72.7,34.78 arc(72.63,34.95) 72.46,35.02 72.13,35.02 arc(71.96,35.09) 71.89,35.26 71.89,35.38 arc(71.96,35.55) 72.13,35.62 72.46,35.62 arc(72.63,35.69) 72.7,35.86 72.7,39.4 v1(73.3,40) ; v1(73.3,41.2) 73.3,41.3 72.8,41.8 71.9,41.8 U3.R21 71.5,42.1 ; v1(83.6,29.2) 83.6,29.91 J14.15
  Top w0.3: v3(73.25,23.65) 73.26,23.66 FLASH_512.1
  Top w1.8: J10.16 J14.15
  Bottom w0.1: v1(83.6,29.2) 83.6,28.1 82.8,27.3 81.7,27.3 80.81,26.41 arc(80.78,26.33) 80.81,26.26 arc(80.84,26.18) 80.81,26.1 80.5,25.79 arc(80.42,25.75) 80.34,25.79 80.18,25.95 arc(80.09,25.98) 80.01,25.95 79.75,25.69 arc(79.72,25.61) 79.75,25.52 79.92,25.36 arc(79.95,25.28) 79.92,25.2 79.65,24.94 arc(79.57,24.9) 79.49,24.94 arc(79.41,24.97) 79.34,24.94 78.06,23.66 v1(76,23.66) ; v1(73.3,40) v1(73.3,41.2)
  Bottom w0.3: v3(73.25,23.65) 72.21,23.65 R27.2
